# Altium PCB Protoboard.PcbDoc
Units mm, origin at the board's own origin, x right, y up, seen from the top; angles counter-clockwise.
Board outline 50 x 50 mm, 2 copper layers (Top Layer, Bottom Layer); 4 components, 0 nets, 88 pads, 0 vias.
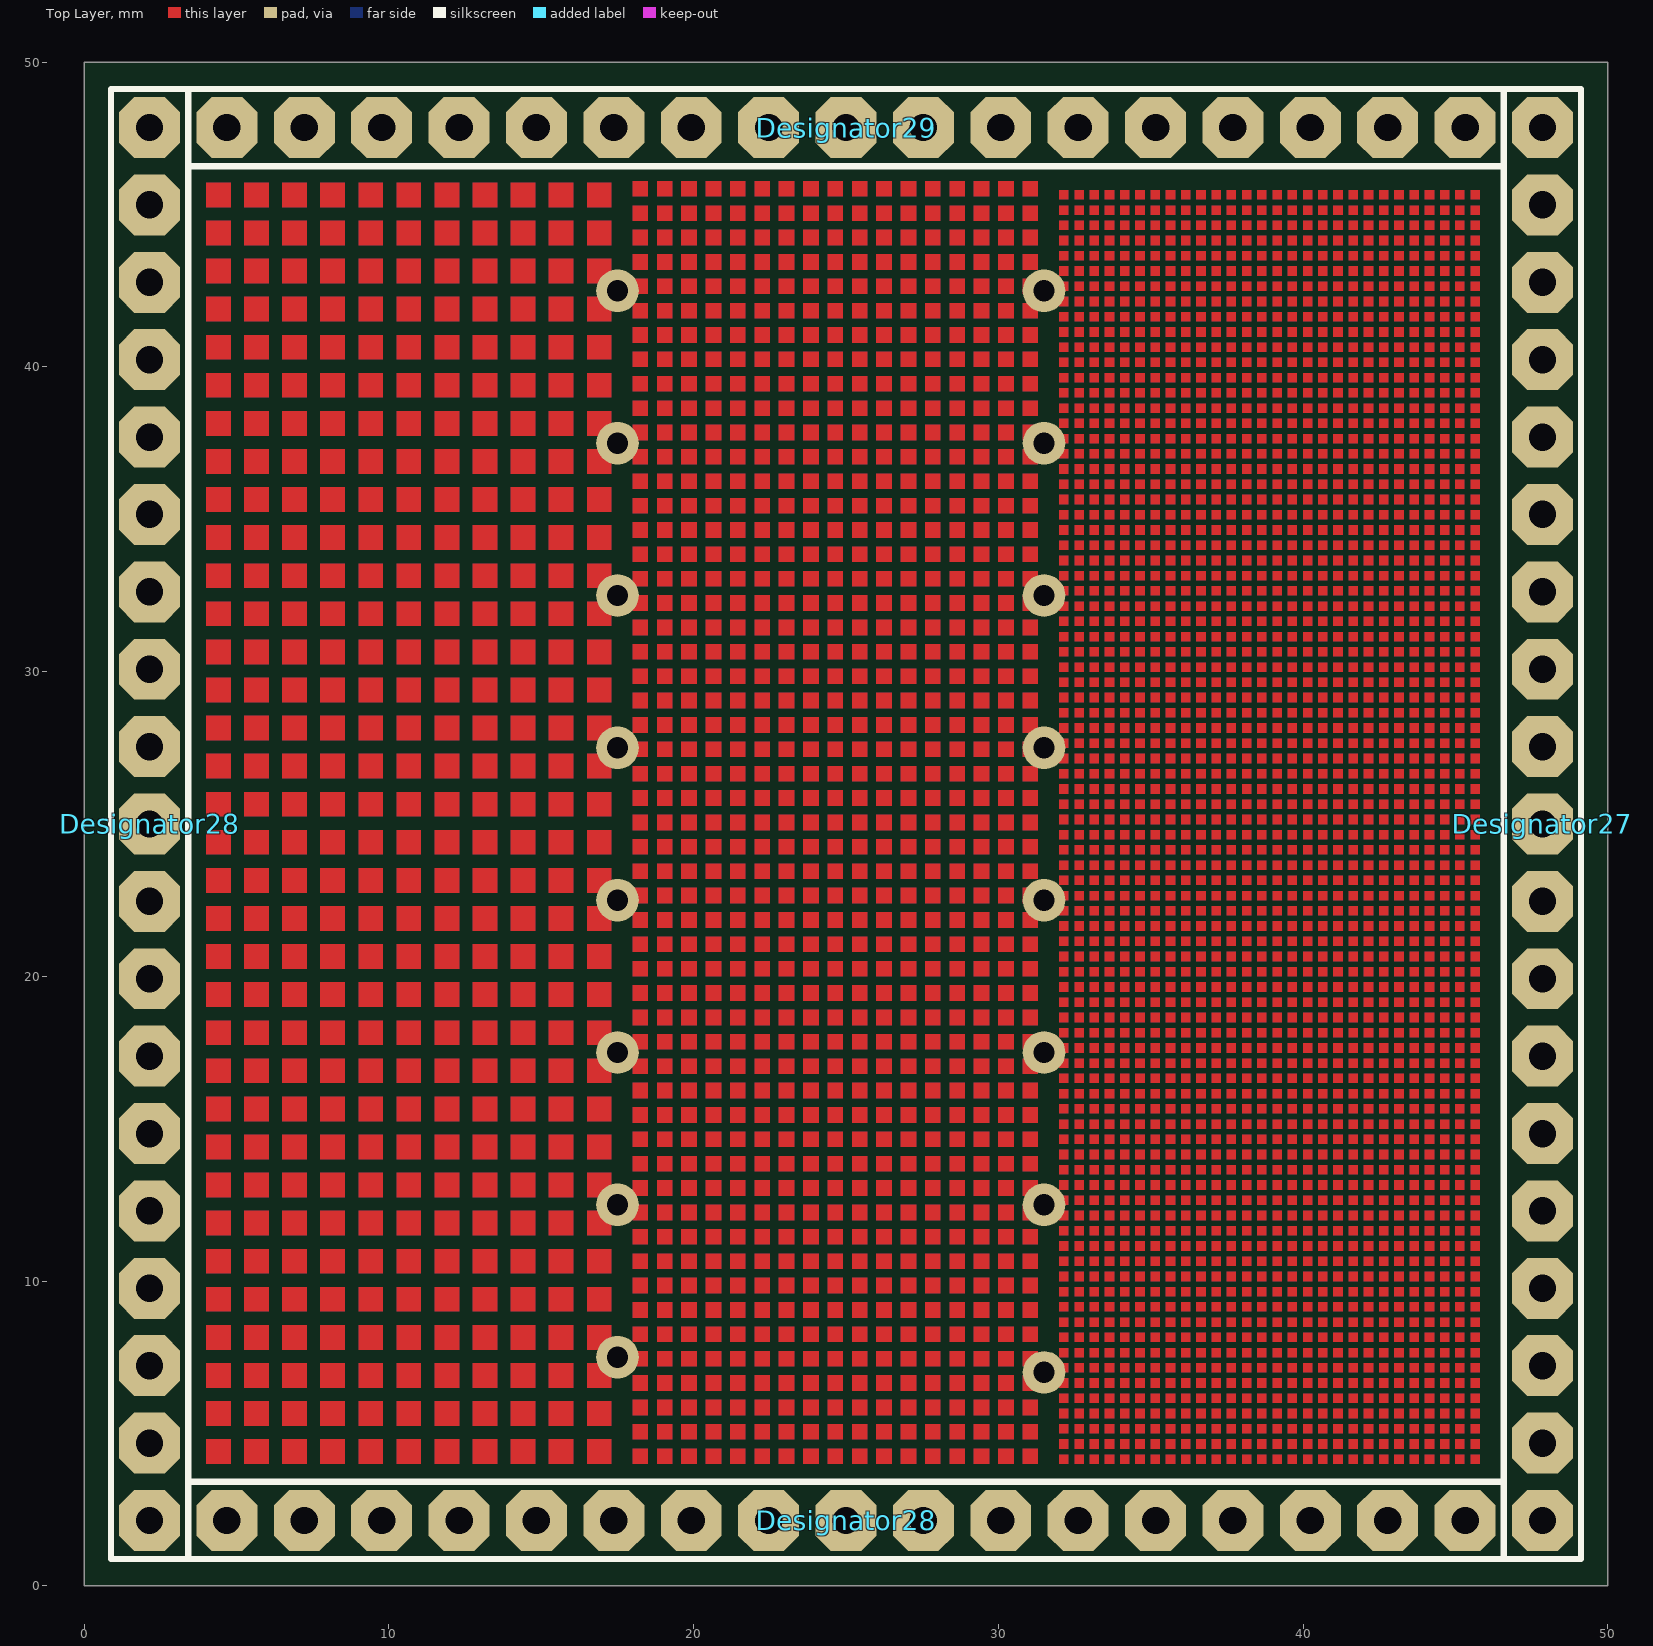
[diagram p0: Top Layer view]
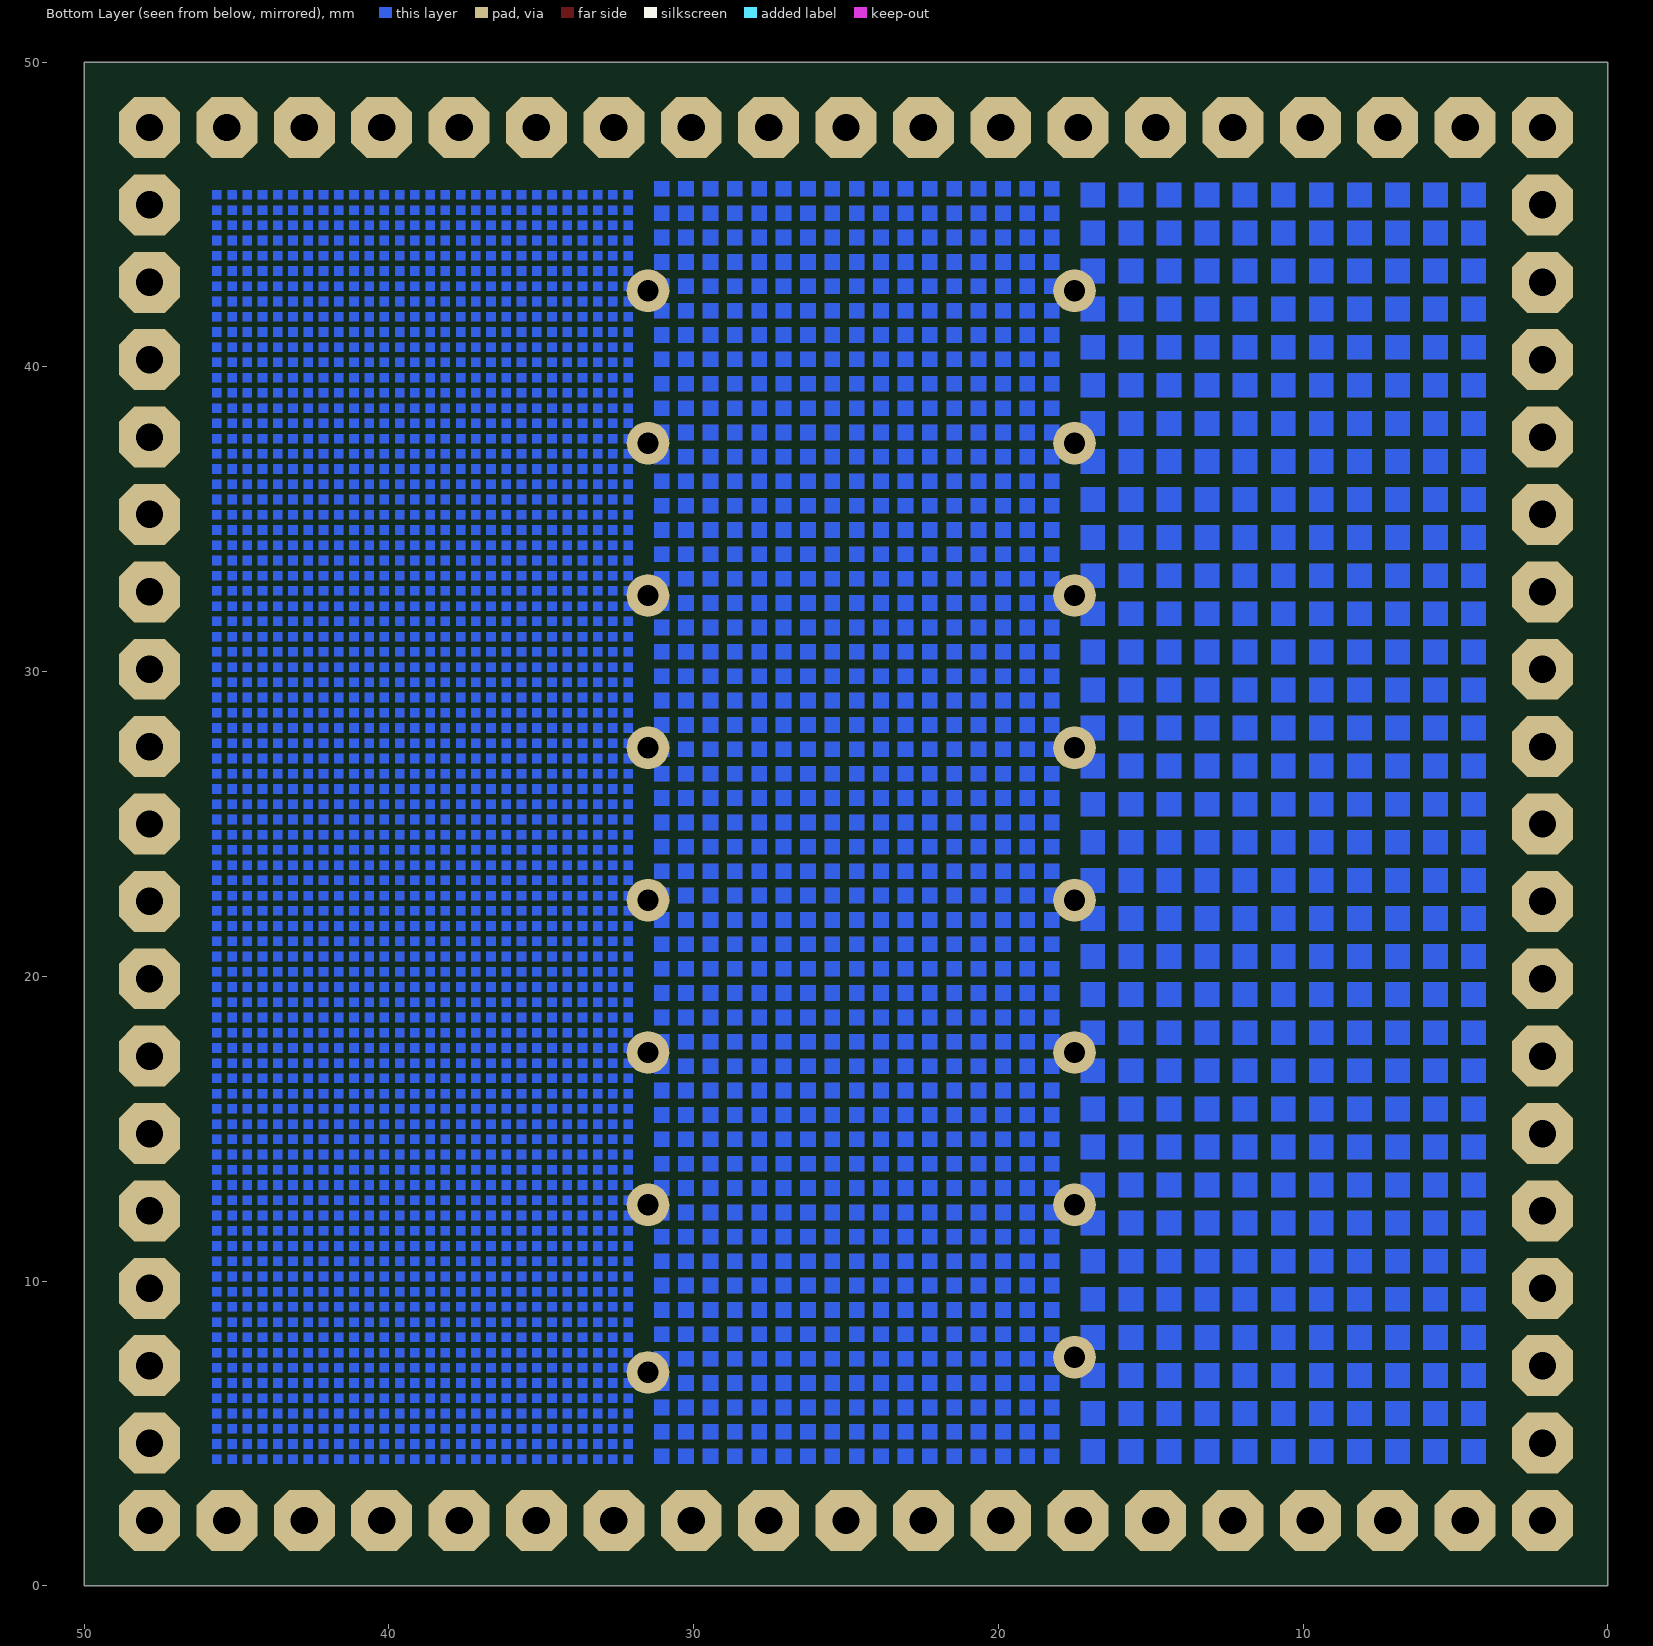
[diagram p1: Bottom Layer view, seen from below]

## Layer stack, top to bottom
Top Solder: solder mask 0.0102, Solder Resist, Dk 3.5
Top Layer: signal copper 0.0356
Dielectric 1: dielectric 0.32, FR-4, Dk 4.8
Bottom Layer: signal copper 0.0356
Bottom Solder: solder mask 0.0102, Solder Resist, Dk 3.5

## Board outline
0,0 0,50 50,50 50,0

## Design rules (kind name [scope] priority, off if disabled: settings)
Clearance [All] p1: gap=0.254
PolygonConnect [All] p1: connectstyle=Relief reliefconductorwidth=0.254 reliefentries=4 polygonreliefangle="90 Angle" airgapwidth=0.254
RoutingVias [All] p1: holewidth=0.711 width=1.27 viastyle="Through Hole" minholewidth=0.711 minwidth=1.27 maxholewidth=0.711 maxwidth=1.27
SolderMaskExpansion [All] p1: expansion=0.102
Width [All] p1: maxlimit=0.254 minlimit=0.254 preferedwidth=0.254
30 further rules are at their usual default settings.

## Components (designator, comment, footprint, x,y, rotation, side; value= is the part's Value field where it differs from the comment)
Designator27 "Comment" HDR1X19 47.86,2.14 r90 top locked
Designator28 "Comment" HDR1X17 45.32,2.14 r180 top locked
Designator28 "Comment" HDR1X19 2.14,2.14 r90 top locked
Designator29 "Comment" HDR1X17 45.32,47.86 r180 top locked

## Footprints (in the part's own frame and the unit in brackets; to place one, negate y for a bottom-side part, rotate by r counter-clockwise, add the part's x,y. Pads: shape width x height; smd on the part's side, far side on the other; paste and mask are expansions set on the pad)
HDR1X17 [mm] "Connector; Header; 17 Position"
  oct 2x2 hole 0.9: 1(0,0) 2(2.54,0) 3(5.08,0) 4(7.62,0) 5(10.16,0) 6(12.7,0) 7(15.24,0) 8(17.78,0) 9(20.32,0) 10(22.86,0) 11(25.4,0) 12(27.94,0) 13(30.48,0) 14(33.02,0) 15(35.56,0) 16(38.1,0) 17(40.64,0)
  silkscreen extent -1.27,-1.27 41.91,1.27
HDR1X19 [mm] "Connector; Header; 19 Position"
  oct 2x2 hole 0.9: 1(0,0) 2(2.54,0) 3(5.08,0) 4(7.62,0) 5(10.16,0) 6(12.7,0) 7(15.24,0) 8(17.78,0) 9(20.32,0) 10(22.86,0) 11(25.4,0) 12(27.94,0) 13(30.48,0) 14(33.02,0) 15(35.56,0) 16(38.1,0) 17(40.64,0) 18(43.18,0) 19(45.72,0)
  silkscreen extent -1.27,-1.27 46.99,1.27

## Free pads (board coordinates)
  round 1.4 hole 0.7: 0(17.5,7.5) 0(17.5,12.5) 0(17.5,17.5) 0(17.5,22.5) 0(17.5,27.5) 0(17.5,32.5) 0(17.5,37.5) 0(17.5,42.5) 0(31.5,7) 0(31.5,12.5) 0(31.5,17.5) 0(31.5,22.5) 0(31.5,27.5) 0(31.5,32.5) 0(31.5,37.5) 0(31.5,42.5)

## Nets (pads, with @x,y where several pads share a name; then routed paths per layer and width w, separated by ;. In a path a pad name is that pad's centre, name@x,y a point inside that pad or via, vN(x,y) a via of type N, cw(c..) or ccw(c..) an arc to the next point about the centre after c; other vN are vias at no path point)
pads on no net: Designator27.1 Designator27.2 Designator27.3 Designator27.4 Designator27.5 Designator27.6 Designator27.7 Designator27.8 Designator27.9 Designator27.10 Designator27.11 Designator27.12 Designator27.13 Designator27.14 Designator27.15 Designator27.16 Designator27.17 Designator27.18 Designator27.19 Designator28.1 Designator28.2 Designator28.3 Designator28.4 Designator28.5 Designator28.6 Designator28.7 Designator28.8 Designator28.9 Designator28.10 Designator28.11 Designator28.12 Designator28.13 Designator28.14 Designator28.15 Designator28.16 Designator28.17 Designator28.18 Designator28.19 Designator29.1 Designator29.2 Designator29.3 Designator29.4 Designator29.5 Designator29.6 Designator29.7 Designator29.8 Designator29.9 Designator29.10 Designator29.11 Designator29.12 Designator29.13 Designator29.14 Designator29.15 Designator29.16 Designator29.17

## Other copper
Top Layer:
  drawing of 3627 lines, arcs and shapes, not listed
Bottom Layer:
  drawing of 3627 lines, arcs and shapes, not listed

## Silkscreen, mask and mechanical layers (free items; w line width, h text height)
Top Solder:
  region: 3.9,3.9 46.1,3.9 46.1,46.2 3.9,46.2
Bottom Solder:
  region: 3.9,3.9 46.1,3.9 46.1,46.2 3.9,46.2
Mechanical 1:
  the board outline again, w1.2